# KiCad board V1.1_version_control.kicad_pcb (continued)
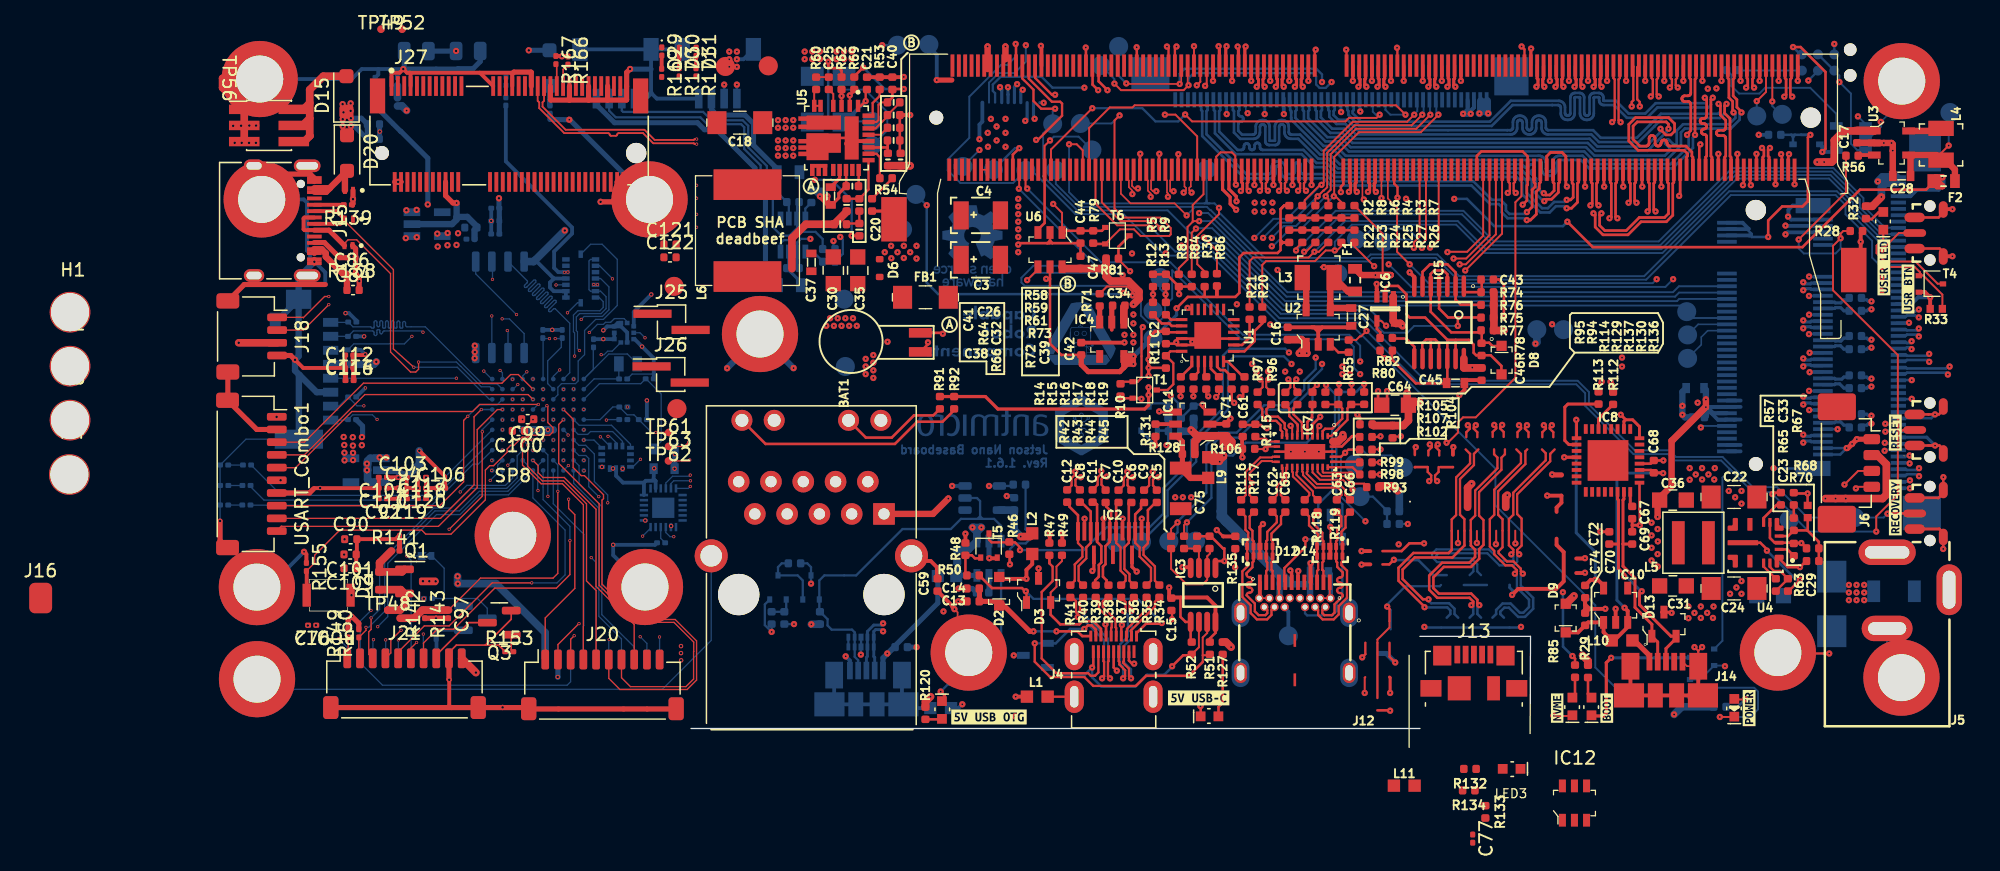
[diagram p0: board, top side]
## Routing (per net, layer and track width the routed paths; a pad name or vN(x,y) marks a point on that pad's centre or on a via; arc(x,y) is an arc through that point) (continued)
  Bottom w0.25: 92.08,28.29 92.5,28.29 92.62,28.41 v1(92.86,28.41)
PCIE0_TX2_P: length 65.2
  Top w0.18: v1(47.76,43.83) 47.92,43.99 47.92,44.43 47.82,44.52 47.82,45.49
  In3_SIGNAL.Cu w0.185: 77.64,33.82 77.68,33.81 77.72,33.78 77.74,33.75 77.77,33.72 77.78,33.68 77.79,33.64 77.79,33.42 77.8,33.32 77.83,33.22 77.89,33.13 77.96,33.06 78.05,33 78.15,32.97 78.25,32.95 78.31,32.95 78.41,32.97 78.51,33 78.6,33.06 78.67,33.13 78.73,33.22 78.76,33.32 78.78,33.42 78.78,33.64 78.78,33.68 78.79,33.72 78.82,33.75 78.84,33.78 78.88,33.81 78.92,33.82 78.96,33.82 79,33.82 79.04,33.81 79.08,33.78 79.1,33.75 79.13,33.72 79.14,33.68 79.15,33.64 79.15,33.42 79.16,33.32 79.19,33.22 79.25,33.13 79.32,33.06 79.41,33 79.51,32.97 79.61,32.95 79.67,32.95 79.77,32.97 79.87,33 79.96,33.06 80.03,33.13 80.09,33.22 80.12,33.32 80.14,33.42 80.14,34.56 80.14,34.6 80.15,34.64 80.18,34.67 80.2,34.7 80.24,34.73 80.28,34.74 80.32,34.74 80.36,34.74 80.4,34.73 80.44,34.7 80.46,34.67 80.49,34.64 80.5,34.6 80.51,34.56 80.51,34.29 80.52,34.19 80.55,34.09 80.61,34 80.68,33.93 80.77,33.87 80.87,33.84 80.97,33.82 81.21,33.82 83.01,32.02 83.01,30.17 84.51,28.67 88.68,28.67 89.79,29.78 90.87,29.78 90.89,29.78 90.92,29.77 90.94,29.75 90.96,29.74 90.98,29.71 90.99,29.69 90.99,29.63 91,29.61 91.02,29.58 91.04,29.56 91.06,29.55 91.08,29.54 91.11,29.54 91.24,29.54 91.26,29.54 91.29,29.55 91.31,29.56 91.33,29.58 91.35,29.61 91.36,29.63 91.36,29.69 91.37,29.71 91.39,29.74 91.41,29.75 91.43,29.77 91.45,29.78 91.48,29.78 93.04,29.78 93.44,29.39 93.44,29.05 93.27,28.88 93.02,28.88 v1(92.86,29.04) ; v1(47.76,43.83) 47.91,43.67 47.91,43.26 50.46,40.71 59.94,40.71 66.83,33.82 73.7,33.82 73.74,33.82 73.78,33.81 73.82,33.78 73.84,33.75 73.87,33.72 73.88,33.68 73.89,33.64 73.89,33.42 73.9,33.32 73.93,33.22 73.99,33.13 74.06,33.06 74.15,33 74.25,32.97 74.35,32.95 74.41,32.95 74.51,32.97 74.61,33 74.7,33.06 74.77,33.13 74.83,33.22 74.86,33.32 74.88,33.42 74.88,33.64 74.88,33.68 74.89,33.72 74.92,33.75 74.94,33.78 74.98,33.81 75.02,33.82 ; 77.62,33.82 77.58,33.81 77.54,33.78 77.52,33.75 77.49,33.72 77.48,33.68 77.48,33.64 77.48,33.42 77.46,33.32 77.43,33.22 77.37,33.13 77.3,33.06 77.21,33 77.11,32.97 77.01,32.95 76.95,32.95 76.85,32.97 76.75,33 76.66,33.06 76.59,33.13 76.53,33.22 76.5,33.32 76.49,33.42 76.49,33.64 76.48,33.68 76.47,33.72 76.44,33.75 76.42,33.78 76.38,33.81 76.34,33.82 ; 75.04,33.82 75.08,33.81 75.12,33.78 75.14,33.75 75.17,33.72 75.18,33.68 75.19,33.64 75.19,33.42 75.2,33.32 75.23,33.22 75.29,33.13 75.36,33.06 75.45,33 75.55,32.97 75.65,32.95 75.71,32.95 75.81,32.97 75.91,33 76,33.06 76.07,33.13 76.13,33.22 76.16,33.32 76.18,33.42 76.18,33.64 76.18,33.68 76.19,33.72 76.22,33.75 76.24,33.78 76.28,33.81 76.32,33.82
  Bottom w0.25: v1(92.86,29.04) 92.62,29.04 92.5,29.16 92.08,29.16
PCIE0_TX3_N: length 66
  Top w0.18: 46.82,45.49 46.82,44.52 46.72,44.43 46.72,43.99 v1(46.88,43.83)
  In3_SIGNAL.Cu w0.18: 70.03,32.93 70.03,31.97 70.03,31.96 70.03,31.96
  In3_SIGNAL.Cu w0.185: 70.03,31.96 70.02,31.93 70,31.9 69.98,31.88 69.95,31.86 69.92,31.85 69.89,31.85 69.81,31.85 69.77,31.85 69.74,31.86 69.72,31.88 69.69,31.9 69.68,31.93 69.67,31.96 69.66,31.99 69.66,32.93 69.65,33.02 69.62,33.11 69.57,33.19 69.5,33.26 69.42,33.31 69.33,33.34 69.23,33.35 69.1,33.35 69,33.34 68.91,33.31 68.83,33.26 68.77,33.19 68.71,33.11 68.68,33.02 68.67,32.93 68.67,31.99 68.67,31.96 68.66,31.93 68.64,31.9 68.62,31.88 68.59,31.86 68.56,31.85 68.53,31.85 68.45,31.85 68.41,31.85 68.38,31.86 68.36,31.88 68.33,31.9 68.32,31.93 68.31,31.96 68.3,31.99 68.3,32.17 68.29,32.27 68.26,32.36 68.21,32.44 68.14,32.51 68.06,32.56 67.97,32.59 67.87,32.6 67.12,32.6 59.58,40.13 58.46,40.13 58.46,40.14 57.82,40.14 57.81,40.13 50.02,40.13 46.72,43.43 46.72,43.67 v1(46.88,43.83) ; 70.03,32.93 70.04,33.02 70.08,33.11 70.13,33.19 70.19,33.26 70.28,33.31 70.37,33.34 70.46,33.35 70.6,33.35 70.69,33.34 70.78,33.31 70.86,33.26 70.93,33.19 70.98,33.11 71.01,33.02 71.02,32.93 71.02,32.74 71.03,32.71 71.04,32.68 71.06,32.65 71.08,32.63 71.11,32.61 71.14,32.6 71.17,32.6 80.95,32.6 82.28,31.27 82.28,29.11 85.63,25.75 88.24,25.75 89.69,27.2 93.14,27.2 93.75,26.6 93.75,26 93.4,25.65 93.02,25.65 v1(92.86,25.5)
  Bottom w0.25: 92.08,25.37 92.5,25.37 92.62,25.5 v1(92.86,25.5)
PCIE0_TX3_P: length 67
  Top w0.18: v1(46.26,43.83) 46.42,43.99 46.42,44.43 46.32,44.52 M1.156
  In3_SIGNAL.Cu w0.18: 70.35,32.93 70.35,31.97 ; 70.35,31.97 70.34,31.97 ; 70.35,31.97 70.35,32.9 70.34,32.9
  In3_SIGNAL.Cu w0.185: 70.34,31.97 70.33,31.87 70.3,31.78 70.25,31.7 70.18,31.63 70.1,31.58 70.01,31.55 69.91,31.54 69.78,31.54 69.68,31.55 69.59,31.58 69.51,31.63 69.45,31.7 69.39,31.78 69.36,31.87 69.35,31.97 69.35,32.9 69.35,32.93 69.34,32.96 69.32,32.99 69.3,33.01 69.27,33.03 69.24,33.04 69.21,33.04 69.13,33.04 69.09,33.04 69.06,33.03 69.04,33.01 69.01,32.99 69,32.96 68.99,32.93 68.98,32.9 68.98,31.97 68.97,31.87 68.94,31.78 68.89,31.7 68.82,31.63 68.74,31.58 68.65,31.55 68.55,31.54 68.42,31.54 68.32,31.55 68.23,31.58 68.15,31.63 68.09,31.7 68.03,31.78 68,31.87 67.99,31.97 67.99,32.15 67.99,32.18 67.98,32.21 67.96,32.24 67.94,32.26 67.91,32.28 67.88,32.29 67.85,32.29 66.99,32.29 59.45,39.82 58.34,39.82 58.33,39.83 57.94,39.83 57.94,39.82 49.89,39.82 46.41,43.3 46.41,43.67 v1(46.26,43.83) ; v1(92.86,26.12) 93.02,25.96 93.27,25.96 93.44,26.13 93.44,26.47 93.04,26.86 92.05,26.86 92,26.86 91.97,26.84 91.93,26.82 91.9,26.79 91.88,26.76 91.87,26.72 91.86,26.68 91.86,26.62 91.86,26.58 91.84,26.54 91.82,26.5 91.79,26.47 91.76,26.45 91.72,26.44 91.68,26.43 91.63,26.44 91.6,26.45 91.56,26.47 91.53,26.5 91.51,26.54 91.5,26.58 91.49,26.62 91.49,26.68 91.49,26.72 91.47,26.76 91.45,26.79 91.42,26.82 91.39,26.84 91.35,26.86 91.31,26.86 89.79,26.86 88.37,25.44 85.51,25.44 81.97,28.98 81.97,31.14 80.82,32.29 71.14,32.29 71.05,32.3 70.96,32.33 70.87,32.38 70.81,32.45 70.76,32.53 70.72,32.62 70.71,32.72 70.71,32.9 70.71,32.93 70.7,32.96 70.68,32.99 70.66,33.01 70.63,33.03 70.6,33.04 70.57,33.04 70.49,33.04 70.46,33.04 70.43,33.03 70.4,33.01 70.38,32.99 70.36,32.96 70.35,32.93 70.34,32.9
  Bottom w0.25: v1(92.86,26.12) 92.62,26.12 92.5,26.24 92.08,26.24
PCIE1_CLK_N: length 64.4
  Top w0.138: J27.49 -11.56,50.92 -11.68,50.8 -11.68,50.45 -9.86,48.64 -3.66,48.64 -2.86,47.84 0.22,47.84 0.28,47.9 0.44,47.9 v4(0.44,47.91)
  Top w0.25: M1.173 42.07,55.15 v1(42.13,55.22)
  In3_SIGNAL.Cu w0.138: 24.93,51.99 v1(24.93,51.99) 24.75,52.17 24.75,52.17 24.49,52.43 24.13,52.43 23.94,52.25 19.72,52.25 18.85,51.38 14.3,51.38 13.62,52.05 6.53,52.05 2.31,47.84 0.67,47.84 0.6,47.9 0.45,47.9 v4(0.44,47.91)
  In5_3V3_SYS_SIGNAL.Cu w0.195: v1(24.93,51.99) 24.78,52.14 24.78,52.96 25.91,54.09 41.47,54.09 41.98,54.59 41.98,55.06 v1(42.13,55.22)
  Bottom w0.25: 24.94,50.77 24.94,51.41 24.93,51.41 v1(24.93,51.99)
PCIE1_CLK_P: length 64.3
  Top w0.138: v4(0.44,47.51) 0.44,47.51 0.28,47.51 0.22,47.57 -2.97,47.57 -3.77,48.37 -5.7,48.37 arc(-5.77,48.34) -5.8,48.27 arc(-5.83,48.19) -5.91,48.16 -6.3,48.16 arc(-6.37,48.19) -6.4,48.27 arc(-6.43,48.34) -6.51,48.37 -9.97,48.37 -11.94,50.35 -11.94,50.8 -12.06,50.92 J27.47
  Top w0.25: M1.175 41.57,55.15 v1(41.51,55.22)
  In3_SIGNAL.Cu w0.125: 24.27,51.95 v1(24.31,51.99)
  In3_SIGNAL.Cu w0.138: v1(24.31,51.99) 19.83,51.99 18.96,51.11 14.19,51.11 13.51,51.79 6.64,51.79 2.42,47.57 0.67,47.57 0.6,47.51 0.45,47.51 v4(0.44,47.51)
  In5_3V3_SYS_SIGNAL.Cu w0.195: v1(41.51,55.22) 41.66,55.06 41.66,54.73 41.34,54.41 25.78,54.41 24.46,53.09 24.46,52.14 v1(24.31,51.99)
  Bottom w0.25: v1(24.31,51.99) 24.43,51.86 24.43,51.78 24.44,51.77 24.44,50.77
PCIE1_CLKREQ: length 24.1
  Top w0.125: R167.2 -10.56,53.74 J27.53
  Top w0.152: M1.182 39.82,48.12 38.11,49.83 v1(37.28,49.83)
  In5_3V3_SYS_SIGNAL.Cu w0.25: v1(37.28,49.83) 36.73,50.38 32.52,50.38 31.66,51.24
  In5_3V3_SYS_SIGNAL.Cu w0.254: v1(30.95,51.95) 31.66,51.24
  Bottom w0.18: 23.92,50.78 23.92,51.52 23.74,51.7 23.74,52.2 24.36,52.81 27.58,52.81 28.44,51.95 v1(30.95,51.95)
PCIE1_RST: length 21.6
  Top w0.152: M1.183 39.57,55.22 v1(39.57,55.22)
  In2.Cu w0.15: 26.74,55.7 v1(26.34,55.3)
  In2.Cu w0.152: 26.74,55.7 39.14,55.7 39.57,55.27 v1(39.57,55.22)
  Bottom w0.152: v1(26.34,55.3) 26.34,54 25.45,53.1 24.2,53.1 23.44,52.35 23.44,50.77
PCIE1_RX0_N: length 55.5
  Top w0.25: M1.167 43.57,55.12 v1(43.63,55.19)
  In3_SIGNAL.Cu w0.125: 1.19,39.83 6.37,39.83 7.39,40.85 20.85,40.85 26.77,46.76 26.77,47.6 26.71,47.66 26.71,48.02 26.77,48.08 26.77,49.23 v1(27.03,49.5)
  In5_3V3_SYS_SIGNAL.Cu w0.195: v1(43.63,55.19) 43.48,55.03 43.48,54.21 42.29,53.02 27.56,53.02 27.01,52.47 27.01,50.09 26.9,49.98 26.9,49.63 v1(27.03,49.5)
  Bottom w0.25: v1(27.03,49.5) 26.94,49.59 26.94,50.77
  vias: v4(0.44,40.96)
PCIE1_RX0_P: length 55.2
  Top w0.25: M1.169 43.07,55.12 v1(43.01,55.19)
  In3_SIGNAL.Cu w0.125: 1.29,40.08 6.27,40.08 7.29,41.1 20.75,41.1 26.52,46.87 26.52,47.5 26.46,47.55 26.46,48.12 26.52,48.18 26.52,49.12 v1(26.3,49.34)
  In5_3V3_SYS_SIGNAL.Cu w0.195: v1(26.3,49.34) 26.56,49.6 26.56,50.09 26.69,50.22 26.69,52.6 27.43,53.34 42.15,53.34 43.16,54.35 43.16,55.03 v1(43.01,55.19)
  Bottom w0.25: v1(26.3,49.34) 26.44,49.49 26.44,50.77
  vias: v4(0.44,41.98)
PCIE1_TX0_N: length 63.7
  Top w0.25: v1(42.92,43) 42.9,43.03 42.9,43.39 42.32,43.97 M1.172
  In3_SIGNAL.Cu w0.125: v1(26.09,51.79) 26.09,51.42 24.92,50.25 22.88,50.25 21.94,49.3 21.94,49.05 18.89,46 18.89,44.33 19.65,43.56 19.65,42.44 18.57,41.36 0.94,41.36
  In5_3V3_SYS_SIGNAL.Cu w0.195: v1(42.92,43) 42.73,42.82 42.5,42.82 42.1,43.21 42.1,46.21 39.68,48.63 28.97,48.63 28.93,48.64 28.89,48.65 28.85,48.68 28.82,48.71 28.79,48.75 28.78,48.79 28.77,48.83 28.77,49.2 28.77,49.24 28.75,49.28 28.73,49.32 28.7,49.35 28.66,49.38 28.62,49.39 28.57,49.4 28.53,49.39 28.49,49.38 28.45,49.35 28.42,49.32 28.39,49.28 28.38,49.24 28.37,49.2 28.37,48.83 28.37,48.79 28.35,48.75 28.33,48.71 28.3,48.68 28.26,48.65 28.22,48.64 28.17,48.63 28.13,48.64 28.09,48.65 28.05,48.68 28.02,48.71 27.99,48.75 27.98,48.79 27.97,48.83 27.97,49.2 27.97,49.24 27.95,49.28 27.93,49.32 27.9,49.35 27.86,49.38 27.82,49.39 27.77,49.4 27.73,49.39 27.69,49.38 27.65,49.35 27.62,49.32 27.59,49.28 27.58,49.24 27.57,49.2 27.57,48.83 27.57,48.79 27.55,48.75 27.53,48.71 27.5,48.68 27.46,48.65 27.42,48.64 27.37,48.63 26.39,48.63 26.33,48.63 25.59,49.38 25.59,51.28 v1(26.09,51.79)
  Bottom w0.25: 25.94,50.77 25.94,51.63 v1(26.09,51.79)
  vias: v4(0.44,43.25)
PCIE1_TX0_P: length 63.4
  Top w0.25: v1(42.88,42.34) 42.72,42.5 42.71,42.5 42.42,42.8 42.42,43.34 41.82,43.94 M1.174
  In3_SIGNAL.Cu w0.125: v1(25.65,52.23) 25.65,51.34 24.81,50.5 22.78,50.5 21.69,49.41 21.69,49.15 18.64,46.1 18.64,44.22 19.4,43.46 19.4,42.55 18.46,41.61 1.04,41.61
  In5_3V3_SYS_SIGNAL.Cu w0.195: v1(25.65,52.23) 25.62,52.2 25.62,51.84 25.27,51.49 25.27,49.25 26.2,48.31 26.52,48.31 26.52,48.31 39.55,48.31 41.78,46.08 41.78,43.08 42.37,42.5 42.73,42.5 v1(42.88,42.34)
  Bottom w0.25: 25.44,50.77 25.44,52.02 v1(25.65,52.23)
  vias: v4(0.44,44.26)
Periph_3V3: length 28.2
  In5_3V3_SYS_SIGNAL.Cu w0.4: -19.96,39.47 v2(-19.93,39.44)
  In5_3V3_SYS_SIGNAL.Cu w0.6: v2(-19.96,40.46) -19.96,39.47 ; v2(-19.93,39.44) -19.95,39.44 -24.76,34.63 v2(-24.76,30.37)
  Bottom w0.4: v2(-15.11,43.24) -15.11,42.49 C111.1 -15.08,41.66 ; -23.48,49.15 D23.2 ; -15.08,41.66 C95.1 ; -15.08,41.66 C113.1 ; -23.41,49.08 -22.84,48.51 -22.82,48.51 -20.71,46.4 v2(-20.71,42.76)
  Bottom w0.6: v2(-24.76,30.37) -24.95,30.17 J23.4
  vias: v2(-19.15,40.51) v2(-19.16,39.55) v2(-18.45,39.57) v2(-18.33,40.49) v2(-17.02,30.65) v2(-17.01,31.64) v2(-17.01,31.14)
PEX_L0_CLKREQ_N: length 53.7
  Top w0.15: 39.47,41.39 39.06,40.99 39.06,38.42 38.38,37.74 38.38,37.25 ; 39.47,41.39 39.52,41.44 v1(39.98,41.44) ; 39.47,41.39 39.47,42.71 40.32,43.56 40.32,45.49
  Bottom w0.15: v1(39.98,41.44) 40.89,41.44 46.84,35.5 77.41,35.5 77.73,35.81 J7.52
PEX_L0_RST_N: length 61.2
  Top w0.15: 39.39,37.25 39.39,40.53 v1(39.72,40.86) ; v1(39.79,52.14) 40.07,52.41 40.07,53.69
  In2.Cu w0.15: v1(39.79,52.14) 39.84,52.09 39.84,42.9 39.47,42.53 39.47,41.11 v1(39.72,40.86)
  Bottom w0.15: v1(39.72,40.86) 39.75,40.89 41,40.89 46.74,35.15 77.57,35.15 77.74,35.31 J7.50
PWR_EN: length 45
  Top w0.15: IC6.4 54.31,33.59 v1(54.68,33.21)
  Top w0.18: v1(28.64,50.3) 27.54,50.3 26.94,50.9 26.94,51.8 26.07,52.67 M1.237
  Top w0.2: IC6.4 53.96,32.95 54.23,32.68 54.23,32.22
  Bottom w0.15: v1(54.68,33.21) 53.45,34.45 46.54,34.45 41.29,39.7 40.09,39.7 37.5,42.29 30.39,42.29 27.7,44.98 27.7,48.36 TP12.1 28.45,50.11 v1(28.64,50.3)
PWR_GOOD: length 112.5
  Top w0.15: 54.2,31.18 54.2,31.03 v1(54.59,30.65) ; U5.2 v1(12.49,51.35)
  Top w0.2: R69.2 12.84,51.7 v1(12.49,51.35)
  In3_SIGNAL.Cu w0.2: v1(18.54,42.7) 18.54,43.4 12.49,49.45 v1(12.49,51.35)
  In5_3V3_SYS_SIGNAL.Cu w0.125: v1(45.57,33.3) 45.57,33.35 49.14,36.92 49.14,38.2 49.59,38.65 49.59,40.3 49.29,40.6 44.14,40.6 40.04,36.5 34.74,36.5 v1(34.04,35.8)
  Bottom w0.15: v1(45.57,33.3) 45.77,33.1 52.14,33.1 v1(54.59,30.65) 63.29,21.95 63.29,19.05 71.14,11.2 71.14,6.3 73.39,4.05 T3.1
  Bottom w0.18: v1(18.54,42.7) TP35.1
  Bottom w0.2: v1(18.54,42.7) 18.54,36.6 19.44,35.7 33.94,35.7 v1(34.04,35.8)
System_4V5: length 8.2
  Bottom w0.4: v2(-26.76,49.55) -25.93,49.55 C83.1 -25.46,47.93 C82.1 -26.48,48.92 v2(-26.76,48.92)
  Bottom w0.6: U10.3 -25.23,20.89 -25.44,21.1 -25.44,21.78 v2(-25.49,21.83) -25.44,21.87 -25.44,22.29 v2(-25.5,22.35) -25.44,22.4 -25.44,22.56 -25.23,22.77 U10.1
  vias: v2(-27.41,50.66) v2(-27.34,50.01) v2(-27.4,49.47) v2(-27.4,48.92) v2(-26.78,50.72) v2(-26.78,50.13) v2(-24.5,22.84) v2(-23.97,22.83) v2(-22.44,40.11) v2(-22.39,42.3) v2(-21.59,42.33) v2(-21.58,40.18)
TMDS_HPD: length 66.3
  Top w0.15: M1.96 63.32,40.4 60.96,38.04 v1(60.47,38.04)
  Top w0.18: v1(25.88,15.54) 25.88,15.76 25.49,16.15 23.64,16.15 23.44,16.35 T5.3
  In3_SIGNAL.Cu w0.15: v1(47.04,31.1) 47.59,30.55 48.39,30.55 49.34,29.6 49.84,29.6 50.14,29.9 50.14,32.6 52.17,34.62 57.74,34.62 60.44,37.32 60.44,38.01 v1(60.47,38.04)
  Bottom w0.18: 33.44,17 33.44,17.3 33.49,17.35 ; 33.44,17 33.44,17.1 ; 33.44,17 TP24.1 ; v1(47.04,31.1) 46.74,31.4 42.39,31.4 41.84,30.85 41.84,26.7 39.34,24.2 39.34,22.6 37.14,20.4 37.14,18.4 36.09,17.35 33.69,17.35 ; 33.69,17.35 33.49,17.35 ; 33.69,17.35 33.44,17.1 ; 33.44,17.1 33.19,17.35 ; v1(25.88,15.54) 30.88,15.54 32.69,17.35 33.19,17.35 ; 33.49,17.35 33.19,17.35
UART1_RX: length 74.9
  Top w0.15: M1.238 25.82,44.02 v1(25.79,44)
  Top w0.25: R112.2 72.54,28.6 v1(72.34,28.8)
  In5_3V3_SYS_SIGNAL.Cu w0.15: v1(52.64,29.4) 53.64,29.4 54.34,28.7 56.54,28.7 56.94,28.3 71.84,28.3 v1(72.34,28.8)
  Bottom w0.15: v1(52.64,29.4) 52.14,29.9 52.14,31.55 51.55,32.14 43.29,32.14 37.85,37.57 37.85,35.35 37.29,34.79 37.29,34 36.74,33.45 35.95,33.45 35.39,34 35.39,35.9 34.95,36.35 26.26,36.35 25.99,36.61 25.99,36.98 26.93,37.92 31.86,37.92 v1(25.79,44)
UART1_TX: length 54.8
  Top w0.15: v1(26.45,44.01) 26.32,44.14 M1.236
  Top w0.23: v1(71.64,28.8) 71.4,28.55 R113.2
  In5_3V3_SYS_SIGNAL.Cu w0.15: v1(71.64,28.8) 71.44,28.6 57.14,28.6 56.64,29.1 54.44,29.1 53.64,29.9 53.14,29.9 v1(52.64,30.4)
  Bottom w0.15: v1(52.64,30.4) 52.64,31.65 51.79,32.5 43.41,32.5 37.71,38.2 32.26,38.2 v1(26.45,44.01)
USB1_D_N: length 67.7
  Top w0.25: v1(58.63,52.03) 58.51,52.15 58.51,52.61 58.57,52.68 58.57,53.69 ; J12.A7 47.75,13.87 v1(47.77,13.89)
  In2.Cu w0.16: J12.B7 47.36,12.01 47.36,12.38 44.13,15.61 44.13,27.39 40.8,30.73 40.8,51.25 41.6,52.06 41.6,52.86 42.29,53.55 57.86,53.55 58.46,52.95 58.46,52.2 v1(58.63,52.03)
  In3_SIGNAL.Cu w0.2: J12.B7 47.1,12.46 47.77,13.13 47.77,13.88
USB1_D_P: length 66.9
  Top w0.25: v1(58.01,52.03) 58.13,52.15 58.13,52.61 58.07,52.68 58.07,53.69 ; v1(47.15,13.93) 47.25,13.83 J12.A6
  In2.Cu w0.16: v1(58.01,52.03) 58.18,52.2 58.18,52.83 57.74,53.26 42.41,53.26 41.88,52.74 41.88,51.94 41.08,51.13 41.08,30.85 44.42,27.51 44.42,15.72 47.64,12.5 47.64,12.01 J12.B6
  In5_3V3_SYS_SIGNAL.Cu w0.175: v1(47.15,13.93) 47.15,13.32 47.9,12.56 J12.B6
USB2_D_N: length 9.5
  In4_GND.Cu w0.125: 56.2,10.44 57.15,9.49 v1(57.69,9.49)
  Bottom w0.2: v1(57.69,9.49) 57.74,9.44 59,9.44 ; v1(65.29,9.49) 65.24,9.44 59.04,9.44
USBSS_RX6_N: length 31.3
  Top w0.16: R97.1 44.97,28.37 44.97,28.8 v1(44.79,28.98)
  Top w0.23: 45.07,53.69 45.07,52.68 45,52.6 45,52.16 v1(45.13,52.03) ; 45.07,52.06 45.13,52
  In2.Cu w0.16: v1(45.13,52.03) 44.96,51.86 44.96,51.41 44.63,51.09 43.53,51.09 43.08,50.64 43.08,45.34 42.33,44.59 42.33,30.58 42.8,30.11 arc(42.94,30.05) 43.09,30.11 43.09,30.11 arc(43.23,30.17) 43.37,30.11 arc(43.43,29.97) 43.37,29.83 43.37,29.82 arc(43.31,29.68) 43.37,29.54 arc(43.51,29.48) 43.65,29.54 43.66,29.55 arc(43.8,29.61) 43.94,29.55 arc(44,29.41) 43.94,29.26 43.93,29.26 arc(43.88,29.12) 43.93,28.98 44.5,28.41 44.78,28.41 44.96,28.59 44.96,28.81 v1(44.79,28.98)
USBSS_RX6_P: length 31.3
  Top w0.16: v1(45.42,28.98) 45.25,28.82 45.25,28.37 R96.1
  Top w0.23: v1(44.51,52.03) 44.64,52.16 44.64,52.6 44.57,52.68 44.57,53.69 ; 44.51,52 44.57,52.06
  In2.Cu w0.16: v1(45.42,28.98) 45.25,28.81 45.25,28.47 44.9,28.13 44.38,28.13 42.05,30.46 42.05,44.71 42.8,45.46 42.8,50.76 43.42,51.37 44.52,51.37 44.68,51.53 44.68,51.86 v1(44.51,52.03)
USBSS_TX6_N: length 22.2
  Top w0.16: v1(46.99,28.98) 47.15,28.82 47.15,28.35 R95.1
  Top w0.23: 43.82,45.49 43.82,44.5 43.75,44.43 43.75,43.96 v1(43.88,43.82)
  In2.Cu w0.16: v1(43.88,43.82) 43.71,43.65 43.71,32.75 44.62,31.84 arc(44.77,31.78) 44.92,31.84 arc(45.07,31.9) 45.23,31.84 45.24,31.82 arc(45.3,31.67) 45.24,31.52 arc(45.18,31.37) 45.24,31.22 45.25,31.2 arc(45.41,31.14) 45.56,31.2 arc(45.71,31.27) 45.86,31.2 45.88,31.19 arc(45.94,31.04) 45.88,30.88 arc(45.81,30.73) 45.88,30.58 46.28,30.18 46.28,28.4 46.44,28.24 46.94,28.24 47.16,28.46 47.16,28.81 v1(46.99,28.98)
USBSS_TX6_P: length 22.1
  Top w0.16: 47.83,27.97 47.44,28.35 47.44,28.8 v1(47.62,28.98)
  Top w0.23: v1(43.26,43.82) 43.39,43.96 43.39,44.43 43.32,44.5 43.32,45.49
  In2.Cu w0.16: v1(43.26,43.82) 43.43,43.65 43.43,32.63 45.99,30.06 45.99,28.28 46.32,27.95 47.05,27.95 47.45,28.34 47.45,28.81 v1(47.62,28.98)
USR_BUTTON: length 91.3
  Top w0.15: v1(93.72,39.21) 95.02,40.51 USR1.2 ; M1.218 30.82,47.02 30.34,47.5 v1(29.74,47.5) ; 40.41,37.47 39.82,38.05 39.82,40.28 41.54,41.99 v1(41.54,42.49)
  Bottom w0.15: 40.56,42.96 40.56,43.08 ; 40.56,42.96 40.45,42.84 40.4,42.84 ; 40.56,42.96 40.68,42.84 40.8,42.84 ; 40.56,43.08 40.56,42.88 40.6,42.84 ; 40.56,43.08 40.56,45.49 ; 40.8,42.84 41.18,42.84 v1(41.54,42.49) 41.54,42.14 45.13,38.54 53.2,38.54 53.47,38.82 58.72,38.82 60.43,37.11 61.03,37.11 74.99,37.11 81.67,43.8 90.14,43.8 91.13,42.81 91.13,42.15 93.72,39.56 v1(93.72,39.21) ; 40.8,42.84 40.6,42.84 ; 40.6,42.84 40.4,42.84 ; 40.4,42.84 30.62,42.84 29.74,43.72 v1(29.74,47.5)
USR_LED: length 92
  Top w0.125: v1(38.99,41.9) 38.04,42.85 34.57,42.85 33.82,43.6 M1.206
  Top w0.15: R33.1 98.45,35.66 96.93,37.17 96.68,37.17 96.68,37.42 96.26,37.84 v1(93.65,37.84)
  Bottom w0.15: 40.31,42.57 39.66,42.57 v1(38.99,41.9) ; 40.31,42.57 40.59,42.57 40.83,42.32 40.88,42.32 44.93,38.27 53.31,38.27 53.59,38.54 58.59,38.54 60.3,36.83 75.14,36.83 81.81,43.5 90.04,43.5 90.83,42.71 90.83,41.98 92.92,39.89 92.92,38.57 v1(93.65,37.84) ; 40.31,42.57 30.51,42.57 28.7,44.37 TP26.1
VSYNC_CAM1_1: length 31.4
  Top w0.15: v1(54.18,49.83) 53.92,49.57 51.77,49.57 51.49,49.3 39.42,49.3 v1(38.87,49.84) ; M1.228 28.32,47.08 v1(31.57,50.33)
  Bottom w0.15: v1(54.18,49.83) 53.87,49.83 53.63,50.06 53.63,50.91
  Bottom w0.18: v1(31.57,50.33) 35.5,50.33 36.54,49.3 38.33,49.3 v1(38.87,49.84)
VSYNC_CAM1_2: length 31.7
  Top w0.15: v1(56.21,49.83) 55.47,50.56 34.9,50.56 34.73,50.4 32.94,50.4 31.32,48.77 M1.216
  Bottom w0.15: 54.63,50.91 54.63,50.21 54.63,50.21 55.01,49.83 v1(56.21,49.83)
VSYNC_CAM2_1: length 52.9
  Top w0.15: M1.114 58.82,39.97 58.19,39.34 58.16,39.36 v1(58.14,39.36)
  In2.Cu w0.125: 55.57,39.03 55.57,39.04 56.41,39.88 57.62,39.88 v1(58.14,39.36)
  In2.Cu w0.15: v1(93.65,35.93) 91.87,37.71 78.1,37.71 v1(77.26,36.87) ; v1(54.89,38.04) 54.89,38.35 55.57,39.03
  Bottom w0.15: v1(54.89,38.04) 56.66,36.26 76.65,36.26 v1(77.26,36.87) ; 94.84,35.92 94.84,35.93 v1(93.65,35.93)
VSYNC_CAM2_2: length 48.2
  Top w0.125: M1.130 54.82,43.23 55.55,42.5
  Top w0.15: v1(56.54,38.04) 55.55,39.03 55.55,42.5
  In2.Cu w0.15: v1(75.97,36.87) 77.14,38.04 92.53,38.04 v1(93.65,36.92)
  Bottom w0.15: 94.84,36.92 94.84,36.92 v1(93.65,36.92) ; v1(56.54,38.04) 56.54,38.04 58.02,36.56 75.65,36.56 v1(75.97,36.87)
~{OTG_USB_ID_DET}: length 52.2
  Top w0.18: v1(55.58,43.3) 55.58,44.13 55.32,44.39 M1.128
  In5_3V3_SYS_SIGNAL.Cu w0.125: v1(23.44,20.59) 26.73,20.59 33.14,27 33.14,37.8 33.64,38.3 39.74,38.3 43.2,41.76 54.2,41.76 55.58,43.13 v1(55.58,43.3)
  Bottom w0.18: v1(23.44,20.59) 23.44,20.59 U8.4 25.24,20.59 R111.2
~{OTG_USB_VBUS_DET}: length 85.5
  Top w0.18: v1(65.34,55.2) 65.57,54.97 M1.87
  In2.Cu w0.125: v1(65.34,55.2) 65.04,55.2 60.14,50.3 60.14,47.86 56.25,43.97 v1(56.25,43.21)
  In5_3V3_SYS_SIGNAL.Cu w0.125: v1(9.44,12.9) 12.04,12.9 16.54,17.4 20.64,17.4 22.24,19 25.54,19 33.44,26.9 33.44,37.7 33.74,38 39.84,38 43.34,41.5 54.64,41.5 56.24,43.1 56.24,43.2
  Bottom w0.18: R103.2 9.14,14.5 9.44,14.2 T7.3 v1(9.44,12.9)
Net-(BOOT1-A): length 1.7
  Top w0.2: R29.1 70.57,4.2 BOOT1.1
Net-(BOOT1-K): length 11.5
  Top w0.25: 71.18,2.48 71.77,2.48 72.01,2.71 72.01,6.67 v1(72.39,7.05)
  Bottom w0.25: v1(72.39,7.05) 78.43,7.05
Net-(C20-Pad2): length 2.3
  Top w0.18: C20.2 15.83,44.79 R54.2
Net-(C25-Pad2): length 1
  Top w0.15: C25.2 R60.1
Net-(C33-Pad2): length 1
  Top w0.2: C33.2 R65.1
Net-(C99-Pad2):
  vias: v4(-13.25,25.83)
Net-(C100-Pad2):
  vias: v4(-14.05,25.01)
Net-(D15-A): length 11.4
  Top w0.6: J3.6 -30.43,47.71 -29.98,48.16 -30,48.18 -30,49.54 ; J3.2 -30.49,50.25 -30,50.74 ; -30,49.54 -30.56,48.98 J3.4 ; -30,49.54 -30,50.74 ; D15.2 -28.93,52.86 -30,51.79 -30,50.74
Net-(D18-A1): length 1.6
  Bottom w0.4: D18.1 -11.13,50.59 R140.1
Net-(D21-A): length 4.1
  Top w0.6: Q1.1 -22.74,13.82 D21.2 -24.5,14.54 R141.1
Net-(D22-K): length 0.9
  Bottom w0.3: D22.1 -14.57,52.13
Net-(D23-K): length 0.9
  Bottom w0.3: D23.1 -24.84,52.08 R145.2
Net-(D24-K): length 1
  Bottom w0.3: -23.09,52.11 R146.2
  Bottom w0.6: D24.1 -23.09,52.11
Net-(D26-K): length 1.2
  Bottom w0.1: D26.1 R156.1
Net-(D27-K): length 1.1
  Bottom w0.1: D27.1 R157.1
Net-(D28-K): length 1.1
  Bottom w0.1: D28.1 R158.1
Net-(D29-A): length 1.1
  Top w0.3: D29.2 -2.31,54.48 R169.1
Net-(D30-A): length 1
  Top w0.3: R170.1 -0.93,54.45 D30.2
Net-(D31-A): length 1
  Top w0.3: R171.1 0.39,54.45 D31.2
Net-(F4-Pad2): length 25.1
  Bottom w0.3: J8.1 -7.44,50.62
  Bottom w0.4: -7.44,50.62 -6.02,49.19 0.51,49.19 1.06,48.64 2.02,48.64 5.03,45.63 5.03,44.03 5.86,43.2 5.86,37.39 F4.2 6.85,36.54
Net-(F5-Pad2): length 9.2
  Bottom w0.4: F5.2 6.75,45.59 4.92,47.42 4.92,49.12 4.24,49.8 2.05,49.8 1.61,50.24 J9.2
Net-(IC3-SCLA): length 7.7
  Top w0.15: 37.77,15.67 37.77,14.06 38.99,12.84 40.26,12.84 40.61,13.19 IC3.2 40.61,14.14 40.61,15.05 40.83,15.28 40.83,15.67
